# Allegro board TDI_KU5P_QSFP28_CXP_V001-20240805_1841.brd (continued)
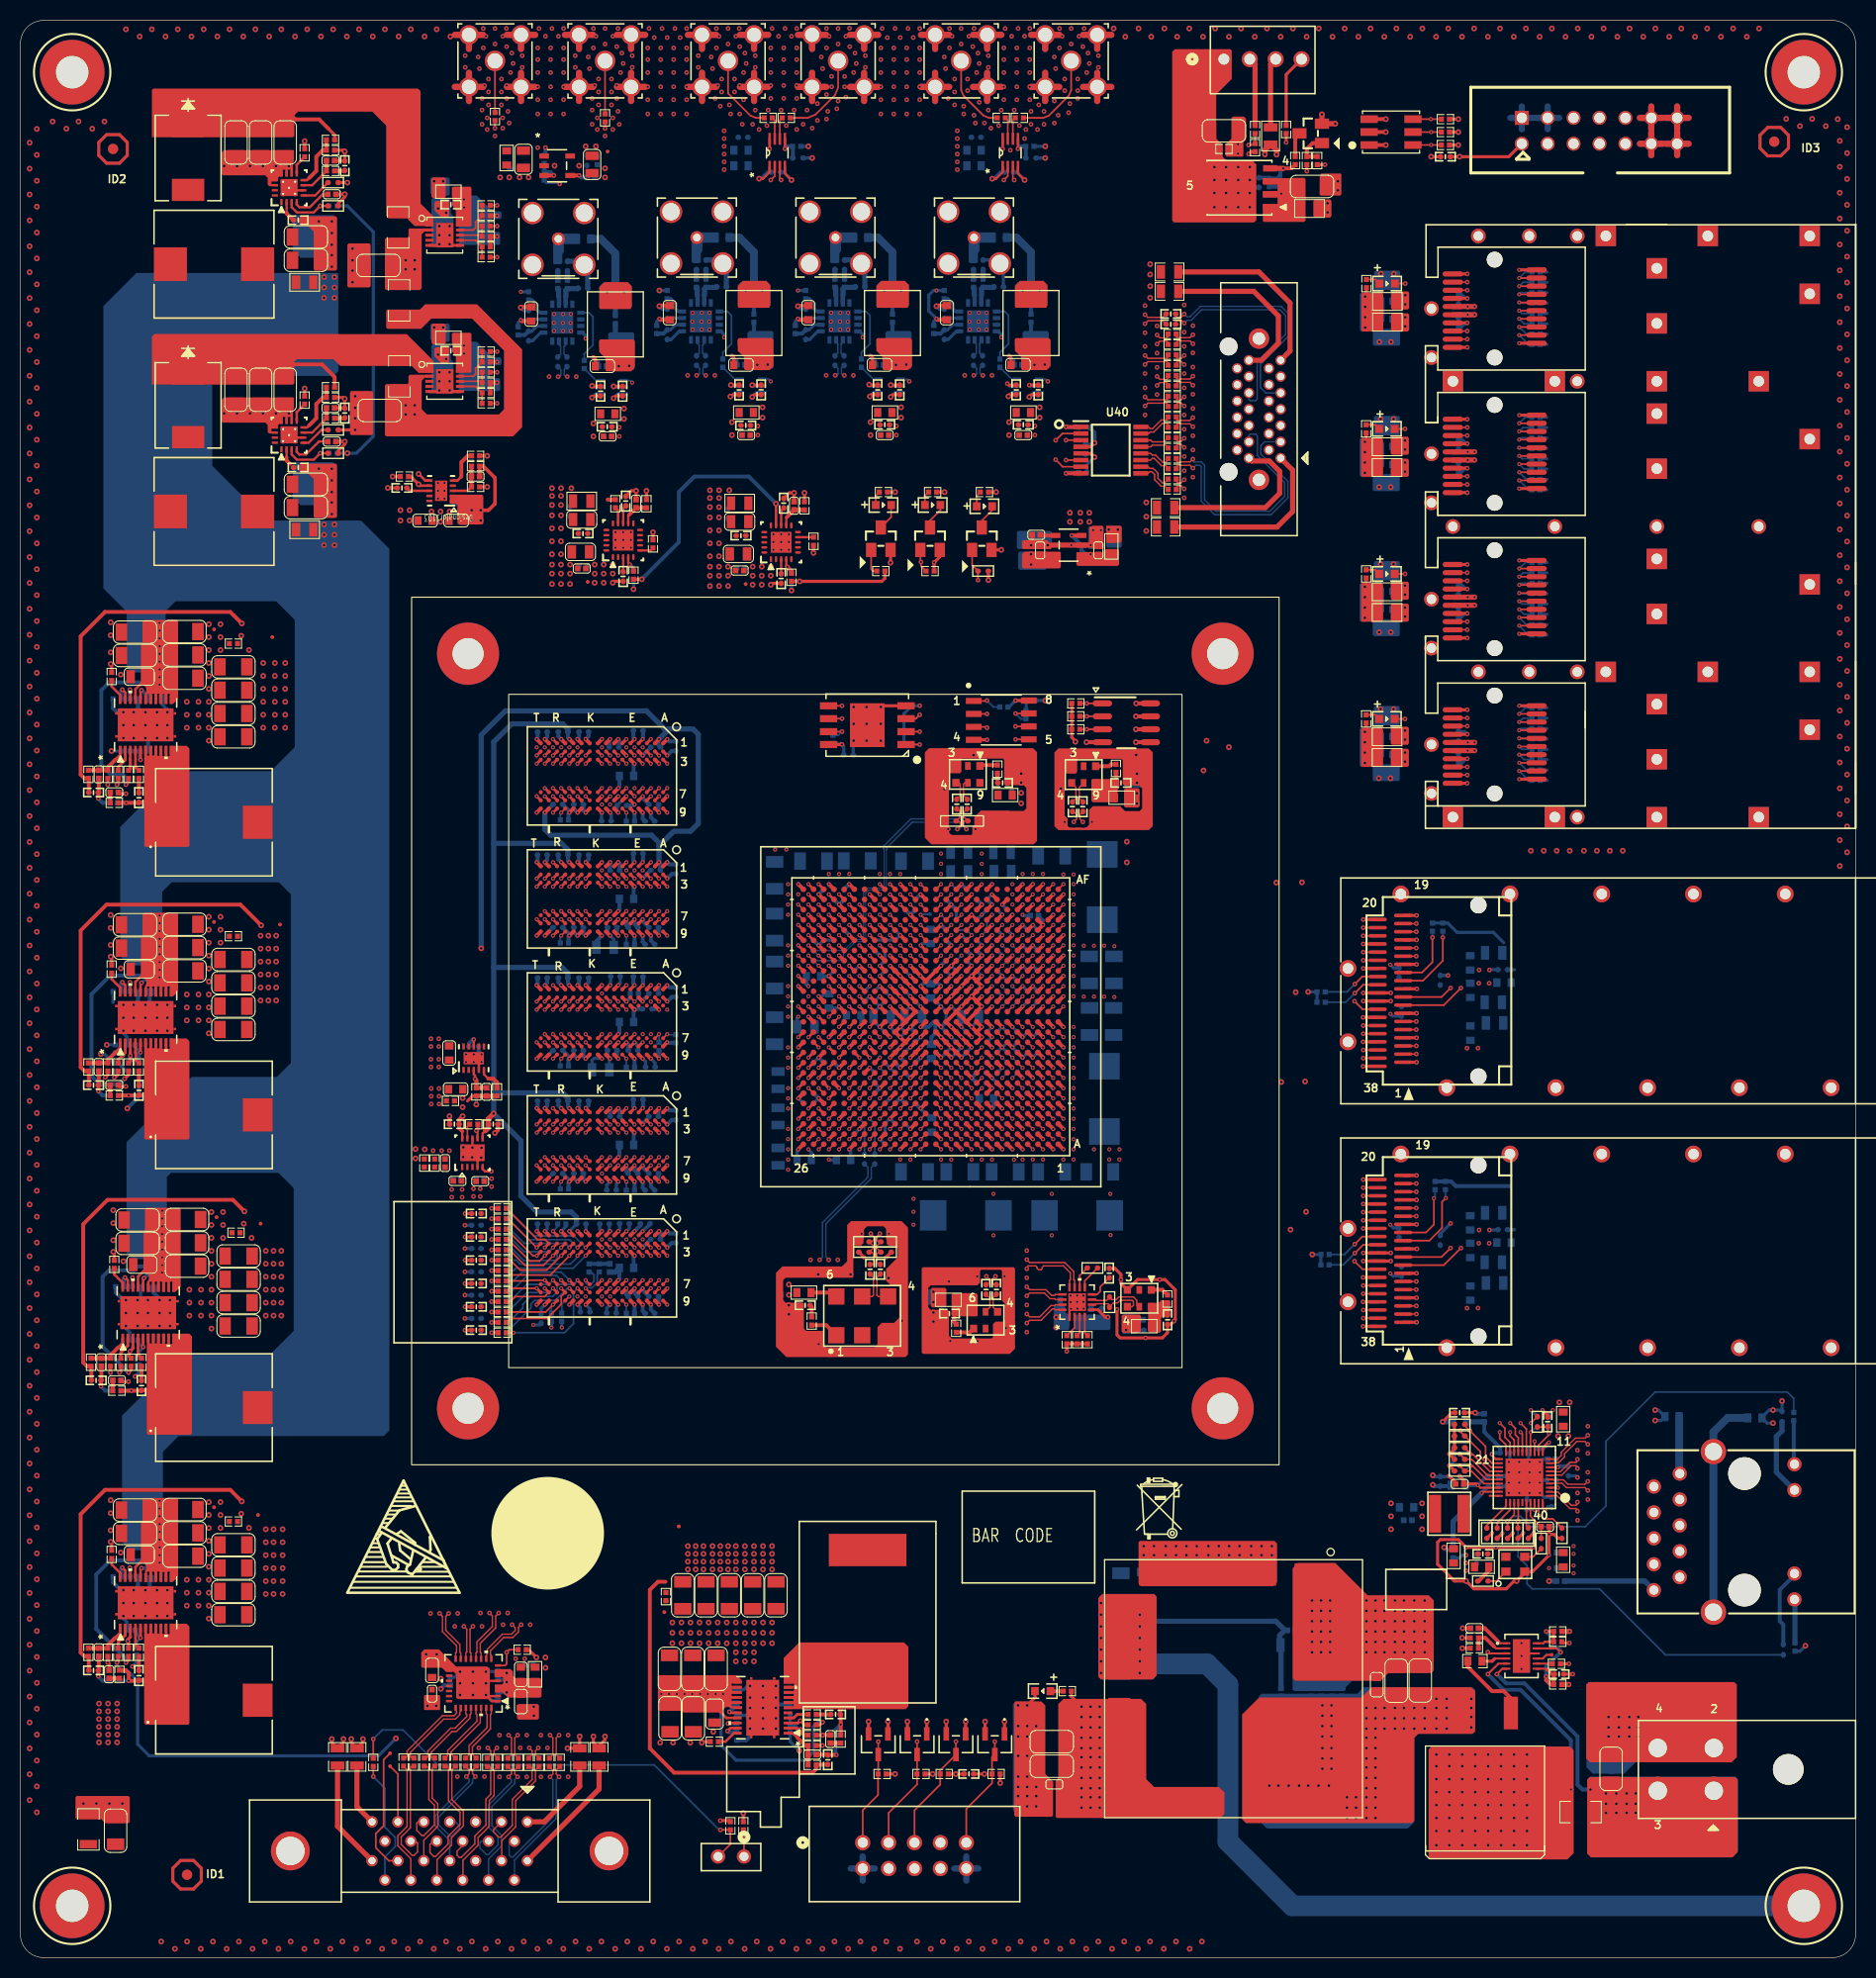
[diagram p0: board, top side]
## Routing (per net, layer and track width the routed paths; a pad name or vN(x,y) marks a point on that pad's centre or on a via; arc(x,y) is an arc through that point) (continued)
N25767092: length 4.5
  TOP w0.203: U33.12 149.37,30.83 149.52,30.98 149.9,30.98
  TOP w0.305: 149.9,30.98 R292.1 150.39,30.98 150.39,31.99 R290.2 v2(149.65,31.99)
  BOTTOM w0.381: R293.2 150.15,31.49 v2(149.65,31.99)
N25767134: length 11
  TOP w0.203: 149.72,28.24 149.64,28.33 U33.7 ; U33.11 150.69,30.33 v2(151.07,29.95)
  TOP w0.305: C478.1 150.22,27.8 149.77,28.24 149.72,28.24
  TOP w0.381: 150.39,26.83 150.03,26.83 149.65,27.22 v2(149.65,27.57) ; 150.39,26.83 150.39,27.74 C478.1 ; 150.39,26.83 R288.1
  BOTTOM w0.381: v2(149.65,27.57) 149.65,28.52 v2(151.07,29.95) 151.07,30.07 150.69,30.45 R293.1
N25767219: length 18
  TOP w0.203: v2(143.93,27.8) 144.96,28.83 U33.5
  BOTTOM w0.381: v2(152.09,16.48) 152.09,21.31 147.13,26.26 145.47,26.26 v2(143.93,27.8)
  vias: v3(138.88,19.91) v3(138.88,18.77) v3(138.88,17.5) v3(138.88,16.23) v3(138.88,14.96) v3(138.88,13.69) v3(138.88,12.42) v3(138.88,11.02) v3(140.15,19.91) v3(140.15,18.77) v3(140.15,17.5) v3(140.15,16.23) v3(140.15,14.96) v3(140.15,13.69) v3(140.15,12.42) v3(140.15,11.02) v3(141.42,19.91) v3(141.42,18.77) v3(141.42,17.5) v3(141.42,16.23) v3(141.42,14.96) v3(141.42,13.69) v3(141.42,12.42) v3(141.42,11.02) v3(142.69,19.91) v3(142.69,18.77) v3(142.69,17.5) v3(142.69,16.23) v3(142.69,14.96) v3(142.69,13.69) v3(142.69,12.42) v3(142.69,11.02) v3(143.96,19.91) v3(143.96,18.77) v3(143.96,17.5) v3(143.96,16.23) v3(143.96,14.96) v3(143.96,13.69) v3(143.96,12.42) v3(143.96,11.02) v3(145.23,19.91) v3(145.23,18.77) v3(145.23,17.5) v3(145.23,16.23) v3(145.23,14.96) v3(145.23,13.69) v3(145.23,12.42) v3(145.23,11.02) v3(146.5,19.91) v3(146.5,18.77) v3(146.5,17.5) v3(146.5,16.23) v3(146.5,14.96) v3(146.5,13.69) v3(146.5,12.42) v3(146.5,11.02) v3(147.77,19.91) v3(147.77,18.77) v3(147.77,17.5) v3(147.77,16.23) v3(147.77,14.96) v3(147.77,13.69) v3(147.77,12.42) v3(147.77,11.02)
N25767247: length 1.6
  TOP w0.203: R287.1 150.25,28.83 U33.8
N25767271: length 7.5
  TOP w0.381: Q5.G 146.19,25.43 145.48,26.14 144.34,26.14 141.96,28.52 R286.1
N25767291: length 3.4
  TOP w0.203: 144.96,30.98 145.11,30.83 U33.1
  TOP w0.381: 144.96,30.98 143.63,32.31 C479.1
N25767309: length 4.2
  TOP w0.203: U33.2 144.72,30.33 144.52,30.53
  TOP w0.381: R289.1 R291.2 143.69,31.36 144.52,30.53
N25767313: length 1.6
  TOP w0.203: U33.9 149.32,29.33 149.68,29.69 TP45.1
N25767741: length 1.3
  TOP w0.381: R284.2 DS9.1
N26285540: length 2.5
  TOP w0.203: U33.4 144.61,29.33
  TOP w0.305: 144.61,29.33 144.35,29.07 R286.2
N26625449: length 1.6
  BOTTOM w0.432: U13.2 66.42,163.02 66.38,163.06
  BOTTOM w0.508: 66.38,163.06 66.38,163.74 R152.1
N26625819: length 1.6
  BOTTOM w0.432: 79.97,163.06 80.01,163.02 U17.2
  BOTTOM w0.508: R162.1 79.97,163.74 79.97,163.06
N26626341: length 1.6
  BOTTOM w0.432: U18.2 93.6,163.02 93.56,163.06
  BOTTOM w0.508: R160.1 93.56,163.74 93.56,163.06
N26626662: length 1.6
  BOTTOM w0.432: 52.79,162.93 52.83,162.89 U14.2
  BOTTOM w0.508: 52.79,162.93 52.79,163.61 R150.1
N26672572: length 16.9
  TOP w0.14: v2(103.32,111.39) 103.6,111.67 103.6,112.09 103.28,112.41 C46.1
  TOP w0.17: U1.AB7 v1(96.3,101.28)
  ART10 w0.102: 96.65,105.64 96.65,105.61 96.7,105.56 96.7,101.38 96.6,101.28 v1(96.3,101.28)
  ART10 w0.114: 96.65,105.64 96.65,106.01 98.24,107.6 100.58,107.6 103.61,110.63 103.61,111.1 v2(103.32,111.39)
N26672574: length 16.9
  TOP w0.14: v2(104.21,111.39) 103.93,111.67 103.93,112.13 C47.1
  TOP w0.17: v1(97.3,101.28) U1.AB6
  ART10 w0.102: 96.95,105.64 96.95,105.61 96.9,105.56 96.9,101.38 97,101.28 v1(97.3,101.28)
  ART10 w0.114: 96.95,105.64 96.95,105.88 98.36,107.29 100.7,107.29 103.92,110.5 103.92,111.27 104.03,111.39 v2(104.21,111.39)
N26672736: length 1.4
  TOP w0.17: U1.P7 v1(96.3,93.28)
  BOTTOM w0.17: C51.1 v1(96.3,93.28)
N26672750: length 1.4
  TOP w0.17: U1.P6 v1(97.3,93.28)
  BOTTOM w0.17: C53.1 97.8,93.78 v1(97.3,93.28)
N27384140: length 3.2
  TOP w0.381: v1(80.04,19.88) C337.1 79.15,19.91 C335.2
  BOTTOM w0.381: v1(80.04,19.88) 79.95,19.96 R196.2
N27389672: length 3.8
  TOP w0.381: 12.37,84.59 C386.2 11.58,84.56 v1(10.63,84.56) R234.2
  BOTTOM w0.381: R234.2 v1(10.63,84.56)
N27389694: length 4.4
  TOP w0.279: U25.1 9.78,89.25 9.34,88.8
  TOP w0.381: R228.2 C385.1 R227.2 8.58,88.04 9.34,88.8
N27389709: length 3.3
  TOP w0.381: C385.2 7.69,85.61 C387.1 v1(7.65,84.98)
  BOTTOM w0.381: v1(7.65,84.98) 8.07,84.56 R233.2
N27389809: length 1.4
  TOP w0.381: R232.1 C386.1
N28495611: length 1.4
  TOP w0.381: U1.AD9 v2(94.3,103.28)
  BOTTOM w0.381: R55.2 93.8,103.78 v2(94.3,103.28)
N28522099: length 1
  TOP w0.381: R325.1 107.46,115.23 C514.1
N28522173: length 2.1
  TOP w0.381: X2.1 106.78,116.85 106.97,117.04 R325.2
N28523316: length 1.9
  TOP w0.254: 105.69,63.54 U38.5
  TOP w0.305: v2(106.67,62.81) 106.42,62.81 105.69,63.54
N28523461: length 2.2
  TOP w0.17: R327.2 103.4,61.77 U38.2
N28523490: length 1.9
  TOP w0.17: R328.2 103.9,61.25 U38.3
N28523512: length 1.9
  TOP w0.17: U38.4 104.4,61.27 R329.2
N28523564: length 2.6
  TOP w0.17: C523.2 105.91,65.78 105.91,65.35 105.59,65.04 U38.8
N28523568: length 2.2
  TOP w0.17: U38.10 103.9,66.9 R331.1
N28523583: length 2.4
  TOP w0.17: U38.9 104.4,66.38 R331.2
N28524939: length 1.8
  TOP w0.381: X4.1 112.01,65.49 R326.2
N28579172: length 1.1
  TOP w0.381: C508.1 91.59,62.31 R323.1
N28579246: length 1.9
  TOP w0.381: R323.2 93.12,61.32 X3.1
N28609575: length 8.6
  TOP w0.508: J21.1 51.39,13.32 54.85,16.79 R365.2
N28609600: length 12.2
  TOP w0.508: J21.14 56.76,16.53 R366.2
N28609622: length 13.2
  TOP w0.14: R368.2 52.55,18.41 52.55,18.01 v2(52.83,17.73)
  BOTTOM w0.14: v2(52.83,17.73) 52.55,17.45 52.55,13.66 48.46,9.56 J21.15
N28609642: length 13.1
  TOP w0.14: v2(51.95,17.73) 52.23,18.01 52.23,18.41 R369.2
  BOTTOM w0.14: J21.2 48.07,11.42 47.95,11.29 47.95,10.06 48.13,9.88 48.31,9.88 52.23,13.79 52.23,17.45 v2(51.95,17.73)
N28609662: length 10.8
  TOP w0.14: R370.2 50.52,18.41 50.52,17.33 48.58,15.39 48.58,12.83 47.21,11.46 47.21,9.53 J21.16
N28609682: length 10.7
  TOP w0.14: R372.2 50.06,18.75 50.19,18.62 50.19,17.46 48.25,15.52 48.25,12.96 47.11,11.82 46.92,11.82 46.4,12.35 46.4,12.53 J21.3
N28609702: length 13.4
  TOP w0.14: R374.2 48.49,18.41 48.49,18.01 v2(48.77,17.73)
  BOTTOM w0.14: J21.17 45.92,9.66 47.18,10.93 47.18,12 46.24,12.94 46.24,14.82 48.49,17.07 48.49,17.45 v2(48.77,17.73)
N28609722: length 13.3
  TOP w0.14: R376.2 48.16,18.41 48.16,18.01 v2(47.88,17.73)
  BOTTOM w0.14: J21.4 45.2,11.42 45.07,11.29 45.07,10.74 45.71,10.1 45.9,10.1 46.86,11.06 46.86,11.86 45.91,12.8 45.91,14.96 48.16,17.21 48.16,17.45 v2(47.88,17.73)
N28609760: length 12.6
  TOP w0.14: R380.2 46.46,18.41 46.46,15.89 45.99,15.42 45.99,12.88 44.9,11.79 44.9,11.02 43.4,9.53 43.4,7.63 J21.19
N28609780: length 12.5
  TOP w0.14: R382.2 46,18.75 46.13,18.62 46.13,16.02 45.66,15.55 45.66,13.01 44.57,11.92 44.57,11.16 43.23,9.82 43.05,9.82 42.82,10.05 42.82,10.42 43.38,10.98 J21.6
N28609886: length 5.8
  TOP w0.14: R371.2 44.34,19.94 44.34,20.67 46.1,22.43 46.1,23.83 46.19,23.92 U43.32
N28609924: length 5.8
  TOP w0.14: R373.2 44.01,19.91 44.01,20.8 45.78,22.57 45.78,23.83 45.69,23.92 U43.31
N28609951: length 12.5
  TOP w0.17: TP48.1 35.63,19.41 35.63,12.93 34.86,12.17 34.86,10.77 36.13,9.5 J21.24
N28609975: length 6.3
  TOP w0.14: U43.30 45.19,23.92 45.1,23.83 45.1,23.04 42.24,20.18 42.24,20 R375.2
N28609992: length 5.8
  TOP w0.17: J21.11 37.03,18 TP49.1
N28609998: length 6.3
  TOP w0.14: U43.29 44.69,23.92 44.78,23.83 44.78,23.18 41.92,20.32 41.92,19.86 41.9,19.85 41.9,19.83 R377.2
N28610050: length 7.1
  TOP w0.14: R378.2 40.42,19.58 40.29,19.71 40.29,20.13 42.33,22.18 42.77,22.18 44.1,23.51 44.1,23.83 44.19,23.92 U43.28
N28610067: length 12.5
  TOP w0.17: R384.2 v2(34.61,17.75)
  BOTTOM w0.17: J21.25 35.75,7.61 35.75,9.88 36.77,10.9 36.77,11.79 35.75,12.8 35.75,16.61 v2(34.61,17.75)
N28610073: length 7.1
  TOP w0.14: R379.2 39.83,19.58 39.96,19.71 39.96,20.26 42.2,22.5 42.63,22.5 43.78,23.65 43.78,23.83 43.69,23.92 U43.27
N28610094: length 6.1
  TOP w0.508: R385.2 33.01,14.8 J21.13
N28610104: length 7.9
  TOP w0.14: U43.26 43.19,24.18 43.1,24.09 43.1,23.84 42.66,23.4 41.52,23.4 38.25,20.13 38.25,19.71 38.38,19.58 R381.2
N28610121: length 10.7
  TOP w0.508: J21.26 31.1,12.88 R386.2
N28610127: length 7.9
  TOP w0.14: U43.25 42.69,24.28 42.78,24.19 42.78,23.97 42.53,23.72 41.39,23.72 37.93,20.26 37.93,19.71 37.8,19.58 R383.2
N28610168: length 2.8
  BOTTOM w0.381: v3(41.24,26.37) 41.57,26.7 C538.2 ; C540.2 47.67,26.03 v3(47.69,26.01) ; C539.2 47.46,27.26 v3(47.69,27.03)
  vias: v3(41.24,27.36) v3(47.69,27.91)
N28690415: length 2.5
  TOP w0.17: U3.7 v2(97.6,122.02)
  BOTTOM w0.17: v2(97.6,122.02) 98.13,121.49 R25.2
N28706846: length 2.6
  TOP w0.17: J2.1 70.97,12.46 R23.2
N28711150: length 15.9
  TOP w0.14: C25.1 84.2,67.98 84,68.19 84,69.02 84.17,69.19 84.39,69.19 83.99,69.6 83.99,69.8 84.39,70.21 84.17,70.21 84.04,70.34 84.04,70.75 v2(84.29,71)
  TOP w0.17: U1.C18 v1(84.29,81.27)
  ART10 w0.102: v1(84.29,81.27) 84,81.27 83.89,81.17 83.89,78.44 83.95,78.38 83.95,78.36
  ART10 w0.114: 83.95,78.36 83.95,71.16 84.11,71 v2(84.29,71)
N28711180: length 15.9
  TOP w0.14: v2(83.4,71) 83.71,70.7 83.71,70.41 83.51,70.21 83.26,70.21 ; 83.26,70.21 83.66,69.81 83.66,69.6 R35.2 83.5,69.19 83.67,69.02 83.67,68.11 83.54,67.98 C26.1 ; 83.26,70.21 R38.1
  TOP w0.17: U1.C19 v1(83.29,81.27)
  ART10 w0.102: v1(83.29,81.27) 83.59,81.27 83.69,81.17 83.69,78.44 83.64,78.38 83.64,78.36
  ART10 w0.114: 83.64,78.36 83.64,71.12 83.53,71 v2(83.4,71)
N28714819: length 4.4
  TOP w0.279: 9.34,31.4 9.78,31.84 U26.1
  TOP w0.381: R240.1 C400.1 R239.2 8.58,30.64 9.34,31.4
N28714907: length 3.3
  TOP w0.381: C400.2 7.69,28.21 C402.1 v1(7.65,27.57)
  BOTTOM w0.381: v1(7.65,27.57) 8.07,27.15 R245.2
N28714926: length 2.2
  TOP w0.254: R241.2 8.96,38.56 9.78,37.73 U26.22
N28714944: length 2.1
  TOP w0.254: v2(10,38.26) 10.28,37.97 U26.21
  BOTTOM w0.381: R242.2 9.89,38.15 v2(10,38.26)
N28714993: length 1.9
  TOP w0.254: v2(10.74,38.25) 10.78,38.21 U26.20
  BOTTOM w0.381: R243.1 v2(10.74,38.25)
N28714995: length 1.4
  TOP w0.381: R244.1 C401.1
N28714997: length 4.5
  TOP w0.381: R246.2 10.33,28.19 10.63,27.89 v1(10.63,27.15) 11.58,27.15 C401.2 12.37,27.19
  BOTTOM w0.381: R245.1 v1(10.63,27.15)
N28715439: length 4.4
  TOP w0.279: U27.1 10.04,60.29 9.59,59.85
  TOP w0.381: R252.1 C415.1 R251.2 8.83,59.08 9.59,59.85
N28715527: length 3.3
  TOP w0.381: C415.2 7.94,56.65 C417.1 v1(7.9,56.02)
  BOTTOM w0.381: R259.2 8.32,55.6 v1(7.9,56.02)
N28715546: length 2.2
  TOP w0.254: U27.22 10.04,66.18 9.21,67.01 R254.2
N28715564: length 2.1
  TOP w0.254: U27.21 10.54,66.42 v2(10.25,66.7)
  BOTTOM w0.381: R256.2 10.14,66.6 v2(10.25,66.7)
N28715613: length 1.9
  TOP w0.254: v2(10.99,66.7) 11.04,66.66 U27.20
  BOTTOM w0.381: R257.1 10.99,66.7 v2(10.99,66.7)
N28715615: length 1.4
  TOP w0.381: R258.1 C416.1
N28715617: length 3.8
  TOP w0.381: R262.2 v1(10.88,55.6) 11.84,55.6 C416.2 12.63,55.64
  BOTTOM w0.381: R262.2 v1(10.88,55.6)
N28716954: length 2.2
  TOP w0.254: R229.2 8.96,95.96 9.78,95.13 U25.22
N28716969: length 2.1
  TOP w0.254: U25.21 10.28,95.37 v2(10,95.66)
  BOTTOM w0.381: v2(10,95.66) 9.89,95.55 R230.2
N28716973: length 1.9
  TOP w0.254: v2(10.74,95.66) 10.78,95.62 U25.20
  BOTTOM w0.381: R231.1 10.74,95.66 v2(10.74,95.66)
N28719419: length 3.9
  TOP w0.381: U30.3 v2(103.12,139.48)
  BOTTOM w0.381: v2(104.97,137.64) 104.46,137.64 104.08,138.02 104.08,138.53 v2(103.12,139.48)
N28719470: length 1.5
  TOP w0.381: C450.2 100.1,139.48 U30.4
N28727051: length 4.4
  TOP w0.279: U22.1 9.78,117.95 9.34,117.5
  TOP w0.381: 9.34,117.5 8.58,116.74 R202.2 C352.1 R203.1
N28727139: length 3.2
  TOP w0.381: C352.2 7.69,114.31 C354.1 v1(7.65,113.68)
  BOTTOM w0.381: v1(7.65,113.68) 8.07,113.26 R208.2
N28727158: length 2.2
  TOP w0.254: U22.22 9.78,123.84 8.96,124.66 R204.2
N28727176: length 2.1
  TOP w0.254: v2(10,124.36) 10.28,124.07 U22.21
  BOTTOM w0.381: R205.2 9.89,124.25 v2(10,124.36)
N28727225: length 1.9
  TOP w0.254: U22.20 10.78,124.32 v2(10.74,124.36)
  BOTTOM w0.381: v2(10.74,124.36) 10.74,124.36 R206.1
N28727227: length 1.4
  TOP w0.381: R207.1 C353.1
N28727229: length 3.7
  TOP w0.381: 12.37,113.3 C353.2 11.58,113.26 v1(10.38,113.26) R209.2
  BOTTOM w0.381: R208.1 v1(10.38,113.26)
N28729208: length 0.8
  TOP w0.381: R215.1 57.6,143
N28729301: length 2.4
  TOP w0.229: R216.2 60.14,136.25 v2(59.76,136.63) 59.62,136.76 U23.4
  BOTTOM w0.381: v2(59.76,136.63) 60.14,136.25 R216.2
N28729382: length 1.6
  TOP w0.254: R215.2 58.62,141.93 U23.14
N28729440: length 2.9
  TOP w0.229: U23.12 59.62,141.42 59.7,141.51
  TOP w0.381: 59.7,141.51 C374.1 R217.1
N28729496: length 1.8
  TOP w0.229: C375.1 59.12,142.13 U23.13
N28729520: length 1.4
  TOP w0.229: C373.2 U23.3
N28729566: length 1.4
  TOP w0.229: R219.1 61.8,138.01 U23.6
N28729667: length 1.4
  TOP w0.17: R220.2 83.89,143.38 DS8.1
N28729727: length 2.4
  TOP w0.229: U24.4 75.12,136.51 v2(75.23,136.4)
  TOP w0.381: R222.2 75.63,135.99 v2(75.23,136.4)
  BOTTOM w0.381: R222.2 75.63,135.99 v2(75.23,136.4)
N28729793: length 2.6
  TOP w0.17: Q4.3 85.41,141.28 DS8.2
N28729865: length 2.9
  TOP w0.229: U24.12 75.12,141.22 75.2,141.3
  TOP w0.381: 75.2,141.3 C383.1 R223.1
N28729887: length 2.5
  TOP w0.17: R224.1 83.63,135.99 83.44,136.18 Q4.1
N28729928: length 1.8
  TOP w0.229: U24.13 74.62,141.92 C384.1
N28729952: length 1.4
  TOP w0.229: C382.2 U24.3
N28730652: length 1.5
  TOP w0.229: U24.9 77.79,139.31 R226.1
N28744187: length 1
  TOP w0.203: U19.30 144.11,45.29
N28744224: length 4
  TOP w0.17: R172.1 150.31,43.03 149.42,43.03 148.91,43.53 U19.39
N28744267: length 2.6
  TOP w0.17: R171.1 147.71,42.32 U19.36
N28744413: length 1.6
  TOP w0.381: 144.02,38.01 144.02,37.94 143.02,36.93 R168.2
N28744480: length 2.1
  TOP w0.17: U20.1 144.77,36.93 R168.1
N28765392: length 5.6
  BOTTOM w0.762: L33.2 162.69,47.53 J12.10
N28765481: length 4.3
  BOTTOM w0.508: J12.11 174.06,35.07 R185.2
N28767196: length 4.3
  BOTTOM w0.381: R189.2 173.93,48.46 J12.14
N28772898: length 3.3
  TOP w0.17: U19.31 145.71,44.27 143.83,42.39 R167.1
N28774027: length 9.1
  BOTTOM w0.508: J12.1 159.32,36.93 C320.2
N28775955: length 7.7
  BOTTOM w0.381: R187.1 172.91,32.64 172.56,32.99 172.56,36.07 174,37.51 J12.12
N28777171: length 7.7
  BOTTOM w0.508: R188.1 172.79,51.66 172.23,51.1 172.23,47.62 J12.13
N28788474: length 1.9
  TOP w0.17: U20.3 148.36,39.31 R173.1
N28846811: length 6.9
  TOP w0.508: L70.1 122.62,185.7 J63.3
N28846813: length 6.7
  TOP w0.508: R394.2 121.1,185.67 J63.2
N28880031: length 1.4
  TOP w0.17: DS4.1 132.86,121.89 R142.1
N28880083: length 1.4
  TOP w0.17: DS5.1 132.86,136.11 R143.1
N28880127: length 1.4
  TOP w0.17: R144.1 132.86,150.34 DS6.1
N28880155: length 1.4
  TOP w0.17: DS7.1 132.89,164.59 R145.1
N28883659: length 18.2
  TOP w0.508: R353.2 121.48,165.33 124.53,162.28 124.53,157.58 J14.13
N28883678: length 17.1
  TOP w0.508: R354.2 120.97,163.42 123.38,161.01 123.38,158.34 121.71,156.67 J14.26
N28884167: length 17.9
  TOP w0.508: J14.1 124.78,145.9 124.78,141.83 123.26,140.31 R334.2
N28884170: length 16.6
  TOP w0.508: J14.14 120.78,146.79 122.49,146.79 123.51,145.77 123.51,143.61 122.11,142.21 R337.2
N28886055: length 1.4
  TOP w0.17: R27.2 88.71,143.38 DS2.1
N28886140: length 2.6
  TOP w0.17: DS2.2 90.23,141.96 89.22,140.94 Q2.3
N28887976: length 23.7
  TOP w0.14: R344.2 113.37,154.37 113.5,154.5 114.72,154.5 v2(115,154.22)
  ART05 w0.114: J14.24 120.5,154.52 120.84,154.18 121.03,154.18 121.38,154.52 121.38,156.57 123.36,158.55 123.36,159.69 122.24,160.81 118.3,160.81 116.54,159.04 116.54,154.8 116.24,154.51 115.29,154.51 v2(115,154.22)
N28887977: length 22.9
  TOP w0.14: v2(114.15,157.14) 113.87,156.86 113.5,156.86 113.37,156.99 R347.2
  ART10 w0.114: v2(114.15,157.14) 114.44,156.85 115.61,156.85 115.96,157.2 115.96,159.89 117.39,161.32 123.21,161.32 123.66,160.86 123.66,158.32 121.66,156.31 121.66,154.12 121.77,154.01 122.2,154.01 J14.10
N28887978: length 22.9
  TOP w0.14: v2(114.15,160.31) 113.9,160.56 113.44,160.56 113.31,160.43 C529.1
  BOTTOM w0.14: J14.22 120.5,152.83 120.63,152.7 121.16,152.7 121.3,152.84 121.3,156.42 124.09,159.21 124.09,161.05 123.53,161.62 115.87,161.62 114.84,160.59 114.43,160.59 v2(114.15,160.31)
N28887979: length 23.8
  TOP w0.14: R351.2 113.37,159.02 113.5,158.89 114.72,158.89 v2(115,159.17)
  ART12 w0.114: v2(115,159.17) 115.29,158.88 115.66,158.88 116.19,159.41 116.19,161.01 116.73,161.55 123.36,161.55 123.71,161.19 123.71,158.49 121.66,156.44 121.66,152.52 121.9,152.27 122.34,152.27 122.46,152.39 J14.8
N28887981: length 23.9
  TOP w0.14: v2(115,155.11) 114.72,154.82 113.5,154.82 113.37,154.95 R343.2
  ART05 w0.114: v2(115,155.11) 115,154.93 115.12,154.81 116.12,154.81 116.23,154.93 116.23,159.17 118.18,161.11 122.37,161.11 123.66,159.82 123.66,158.42 121.68,156.44 121.68,155.32 121.94,155.07 J14.11
N28887982: length 22.9
  TOP w0.14: R341.2 113.37,152.34 113.5,152.46 113.87,152.46 v2(114.15,152.18)
  ART03 w0.114: v2(114.15,152.18) 114.44,152.47 115.61,152.47 116.45,153.32 116.45,158.77 117.95,160.27 122.37,160.27 122.82,159.82 122.82,158.06 121.3,156.54 121.3,156.13 121.03,155.87 J14.25
N28887983: length 22.9
  TOP w0.14: v2(114.15,161.2) 113.83,160.88 113.44,160.88 113.31,161.01 C528.1
  BOTTOM w0.14: v2(114.15,161.2) 114.43,160.92 114.71,160.92 115.74,161.95 123.66,161.95 124.42,161.19 124.42,159.08 121.63,156.28 121.63,153.98 122.14,153.46 123.61,153.46 J14.9
N28887985: length 22.9
  TOP w0.14: v2(114.15,153.07) 113.87,152.79 113.5,152.79 113.37,152.92 R340.2
  ART03 w0.114: v2(114.15,153.07) 114.44,152.78 115.48,152.78 116.14,153.44 116.14,158.9 117.82,160.58 122.49,160.58 123.13,159.94 123.13,157.94 121.61,156.41 121.61,155.73 121.88,155.45 122.04,155.45 J14.12
N28887987: length 23
  TOP w0.14: R348.2 113.37,156.4 113.5,156.53 113.87,156.53 v2(114.15,156.25)
  ART10 w0.114: J14.23 120.78,154.27 121.35,154.83 121.35,156.44 123.36,158.44 123.36,160.73 123.08,161.01 117.52,161.01 116.27,159.77 116.27,157.07 115.74,156.54 114.44,156.54 v2(114.15,156.25)
N28887988: length 23.8
  TOP w0.14: v2(115,158.28) 114.72,158.56 113.5,158.56 113.37,158.43 R352.2
  ART12 w0.114: J14.21 121.14,152.67 121.35,152.88 121.35,156.57 123.41,158.62 123.41,161.06 123.23,161.24 116.86,161.24 116.5,160.89 116.5,159.28 115.79,158.57 115.29,158.57 v2(115,158.28)
N28889591: length 5.2
  TOP w0.17: R357.2 J16.1
N28889792: length 5.1
  TOP w0.17: R360.2 J18.1
N28890454: length 1
  TOP w0.254: U41.8 v2(96.34,177.39)
N28890568: length 3
  TOP w0.254: U41.5 v2(97.84,177.41)
  BOTTOM w0.381: R356.2 98.62,177.63 R358.1 98.08,177.65 v2(97.84,177.41)
N28890641: length 7.6
  TOP w0.17: J15.1 92.27,183.17 92.49,182.63 94.46,180.66 95,180.44 R355.2
N28890643: length 2.2
  TOP w0.17: R355.1 96.85,180.2 U41.7
N28890688: length 8.8
  TOP w0.17: J17.1 103.06,183.17 102.84,182.63 100.87,180.66 100.33,180.44 R359.2
N28890690: length 2.2
  TOP w0.17: R359.1 97.34,180.2 U41.6
N28894010: length 1
  TOP w0.254: U42.8 v2(73.48,177.39)
N28894101: length 7.7
  TOP w0.17: R361.2 72.14,180.44 71.6,180.66 69.42,182.85 69.41,182.87 J19.1
N28894103: length 2.2
  TOP w0.17: U42.7 73.99,180.2 R361.1
N28894170: length 3
  TOP w0.254: U42.5 v2(74.98,177.41)
  BOTTOM w0.381: v2(74.98,177.41) 75.22,177.65 R363.1 75.76,177.63 R362.2
N28894194: length 2.2
  TOP w0.17: U42.6 74.48,180.2 R364.1
N28894228: length 8.6
  TOP w0.17: J20.1 80.2,183.42 79.89,182.67 77.98,180.75 77.22,180.44 R364.2
N28914741: length 0.8
  BOTTOM w0.381: R280.1 51.5,176.91 v2(51.5,177.52)
  vias: v2(50.74,177.52)
N28914763: length 2.9
  TOP w0.381: U31.3 v2(52.32,174.79)
  BOTTOM w0.381: R280.2 R281.1 51.99,175.13 v2(52.32,174.79)
N28914792: length 1.7
  TOP w0.381: U31.4 v2(54.8,174.79)
  BOTTOM w0.381: C459.2 55,174.6 v2(54.8,174.79)
N28919597: length 2.7
  TOP w0.381: U40.1 v2(102.56,150.13)
  BOTTOM w0.381: v2(102.56,150.13) 102.59,150.09 R333.1
N28921298: length 2.7
  TOP w0.381: v2(102.56,145.58) U40.8
  BOTTOM w0.381: R339.1 102.62,145.64 v2(102.56,145.58)
N28922981: length 3.2
  TOP w0.14: U40.11 110.86,146.88 111.02,147.04 111.2,147.04 111.91,146.33 112.33,146.33 112.57,146.1 R345.2
N28922982: length 3.8
  TOP w0.14: R349.2 112.2,144.64 112.02,144.64 111.57,145.08 111.57,145.59 111.1,146.06 110.77,146.06 110.61,146.23 U40.10
N28922983: length 3.3
  TOP w0.14: U40.16 110.64,150.13 110.81,149.96 111.05,149.96 111.89,150.81 112.46,150.81 112.57,150.92 R338.2
N28922984: length 2.9
  TOP w0.14: U40.13 110.86,148.18 111.02,148.34 112.29,148.34 R342.2
N28922985: length 3.3
  TOP w0.14: R346.2 112.57,146.89 112.33,146.66 112.04,146.66 111.34,147.37 111.02,147.37 110.86,147.53 U40.12
N28922986: length 3.8
  TOP w0.14: U40.9 110.62,145.58 110.78,145.74 110.96,145.74 111.24,145.46 111.24,144.95 111.88,144.31 112.25,144.31 R350.2
N28922987: length 3.4
  TOP w0.14: U40.15 110.66,149.48 110.81,149.63 111.18,149.63 112.03,150.48 112.46,150.48 112.57,150.37 R335.2
N28922988: length 2.9
  TOP w0.14: R336.2 112.16,148.67 111.02,148.67 110.86,148.83 U40.14
N28959284: length 2.1
  TOP w0.229: 26.11,171.11 U34.2
  TOP w0.381: C490.1 26.11,171.08 26.11,171.11
N28959625: length 5.4
  TOP w0.229: R301.2 v2(29.4,171.81) 28.77,171.17 27.12,171.17 26.6,171.68 U34.3
  BOTTOM w0.17: R298.1 v2(29.4,171.81)
N28972786: length 1.9
  TOP w0.254: R303.2 27.1,175.84 U34.9
N28972820: length 3.9
  TOP w0.229: U34.4 27.1,171.93 27.36,171.68 28.39,171.68 29.66,172.95 C491.2
N28973278: length 2.9
  TOP w0.229: R305.1 28.91,172.83 U34.5
N28973878: length 3.9
  TOP w0.229: R307.2 28.62,173.83 U34.7
  TOP w0.381: C492.1 R307.2
N28973888: length 1
  TOP w0.381: R307.1 31.78,175.23 C493.1
N28974621: length 5.3
  TOP w0.229: 28.32,174.54 28.12,174.33 U34.8
  TOP w0.381: R295.1 R306.2 29.66,177.27 29.02,176.63 29.02,175.23 28.32,174.54
N28979761: length 1.6
  TOP w0.229: 26.11,147.12 U36.2
  TOP w0.381: 26.43,146.51 26.11,146.83 26.11,147.12
N28979919: length 5.3
  TOP w0.229: U36.8 28.12,150.08 28.32,150.28
  TOP w0.381: 28.32,150.28 29.02,150.98 29.02,152.37 29.66,153.01 R321.2 R310.1
N28979973: length 5.4
  TOP w0.229: U36.3 26.6,147.43 27.12,146.91 28.77,146.91 v2(29.4,147.55) R318.2
  BOTTOM w0.17: R315.1 v2(29.4,147.55)
N28980009: length 1.9
  TOP w0.254: R319.2 27.1,151.58 U36.9
N28980031: length 3.9
  TOP w0.229: C505.2 29.28,148.69 28.01,147.42 27.36,147.42 27.1,147.68 U36.4
N28980061: length 2.9
  TOP w0.229: R320.1 29.53,149.83 28.27,148.58 U36.5
N28980081: length 3.9
  TOP w0.229: U36.7 28.62,149.58 R322.2
  TOP w0.381: C506.1 R322.2
N28980104: length 1
  TOP w0.381: C507.1 31.78,150.98 R322.1
N28981922: length 2.3
  TOP w0.305: R297.1 v2(46.75,170.84)
  TOP w0.381: R296.1 R299.1 v2(46.75,168.81)
  vias: v2(43.5,172.44) v2(43.53,171.65)
N28982097: length 3.4
  TOP w0.17: U35.7 44.64,168.44 R296.2 R304.1
N28982099: length 3.2
  TOP w0.17: U35.8 45.16,168.94 R299.2 R302.1
N28982101: length 4.1
  TOP w0.17: U35.9 44.43,169.44 44.64,169.65 44.64,170.2 R297.2 R300.1
N28983278: length 2.3
  TOP w0.305: R313.1 v2(46.75,156.5)
  TOP w0.381: v2(46.75,154.47) R312.1 R311.1
  vias: v2(43.5,158.1) v2(43.53,157.32)
N28983453: length 3.4
  TOP w0.17: R317.1 R311.2 44.64,154.1 U37.7
N28983455: length 3.2
  TOP w0.17: R316.1 R312.2 45.16,154.6 U37.8
N28983457: length 4.1
  TOP w0.17: U37.9 44.43,155.1 44.64,155.31 44.64,155.86 R313.2 R314.1
N28986231: length 1.9
  BOTTOM w0.381: R388.1 123.45,173.69 C544.1 123.51,173.15 v1(123.66,173)
N28986325: length 5.7
  TOP w0.381: R390.1 124.67,175.49 v2(123.87,175.49)
  TOP w0.508: Q6.4 v2(123.87,175.49)
  BOTTOM w0.381: v2(123.87,175.49) 123.59,175.21 123.59,174.76 C544.2 123.31,174.49 R388.2 122.43,174.56 C545.2
N28986386: length 2.4
  TOP w0.381: Q7.3 125.03,178.49 R390.2
N28986415: length 3.5
  TOP w0.381: Q7.1 126.75,177.97 126.18,177.39 R393.2 R392.1
N29053114: length 7.1
  TOP w0.305: J63.4 124.15,184.68 R778.2
N29065928: length 30.5
  TOP w0.14: v2(95.63,66.82) 95.35,66.54 95.35,66.13 95.48,66 C54.1
  TOP w0.17: U1.M7 v1(96.3,90.27)
  ART10 w0.102: v1(96.3,90.27) 96.77,90.27 96.88,90.38 96.88,90.52 96.74,90.65 94,90.65 93.89,90.55 93.89,77.57 93.95,77.52 93.95,77.5
  ART10 w0.114: 93.95,77.5 93.95,75.67 94.55,75.06 94.55,70.65 94.73,70.48 94.73,70.2 94.55,70.02 94.55,69.74 94.73,69.56 94.73,69.28 94.55,69.1 94.55,68.33 95.34,67.54 95.34,67.11 v2(95.63,66.82)
N29065949: length 30.5
  TOP w0.14: v2(94.74,66.82) 95.03,66.54 95.03,66.13 94.9,66 C55.1
  TOP w0.17: U1.M6 v1(97.3,90.27)
  ART10 w0.102: 93.64,77.5 93.64,77.52 93.69,77.57 93.69,90.64 93.91,90.86 96.83,90.86 97.08,90.6 97.08,90.38 97.18,90.27 v1(97.3,90.27)
  ART10 w0.114: 93.64,77.5 93.64,75.54 94.25,74.93 94.25,68.2 95.04,67.41 95.04,67.11 v2(94.74,66.82)
N29078581: length 1.5
  TOP w0.17: U1.AC13 v1(90.3,102.28)